# Altium PCB TinyShuffle v.0b.PcbDoc (part 1 of 2)
Units mm, origin at the board's own origin, x right, y up, seen from the top; angles counter-clockwise.
Board outline 65 x 90 mm, 4 copper layers (Top Layer, GND, VCC, Bottom Layer), stack 1.561 mm thick; 111 components, 57 nets, 433 pads, 458 vias.
Unrouted connection lines stored in the file: 21.
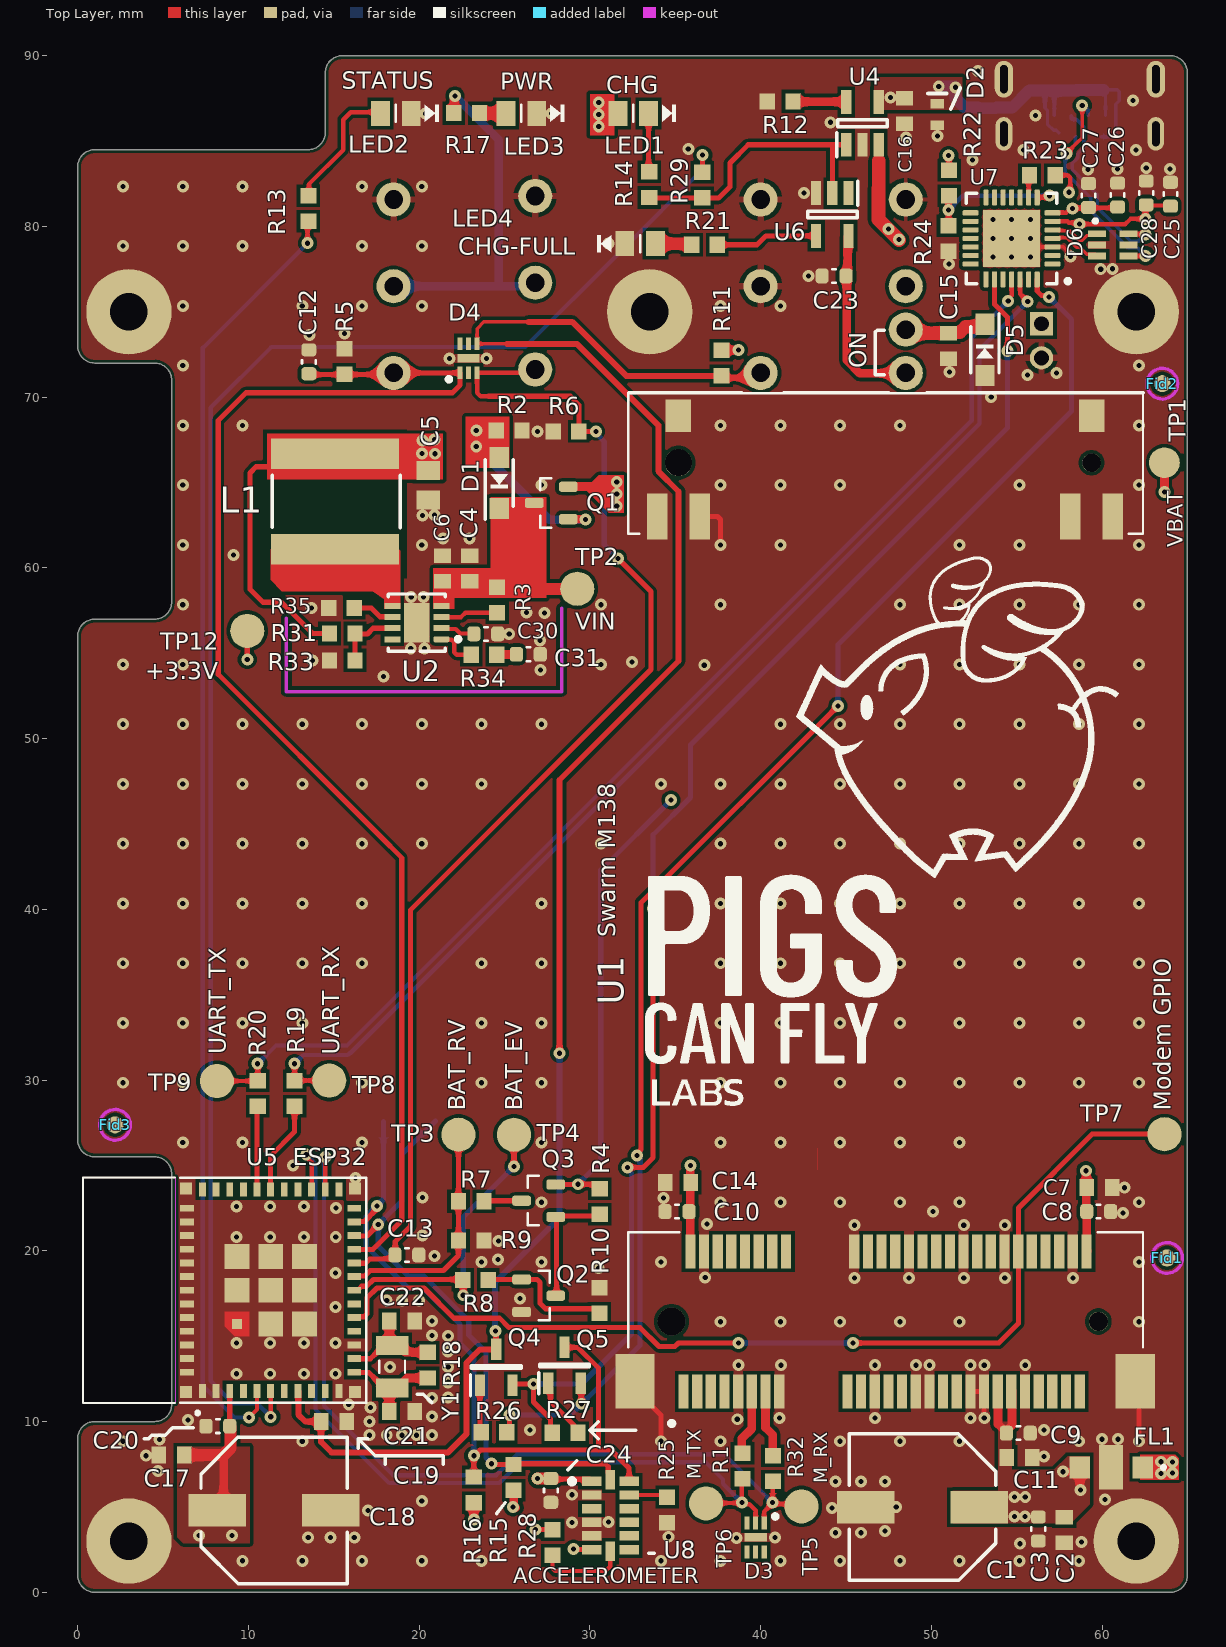
[diagram p0: Top Layer view]
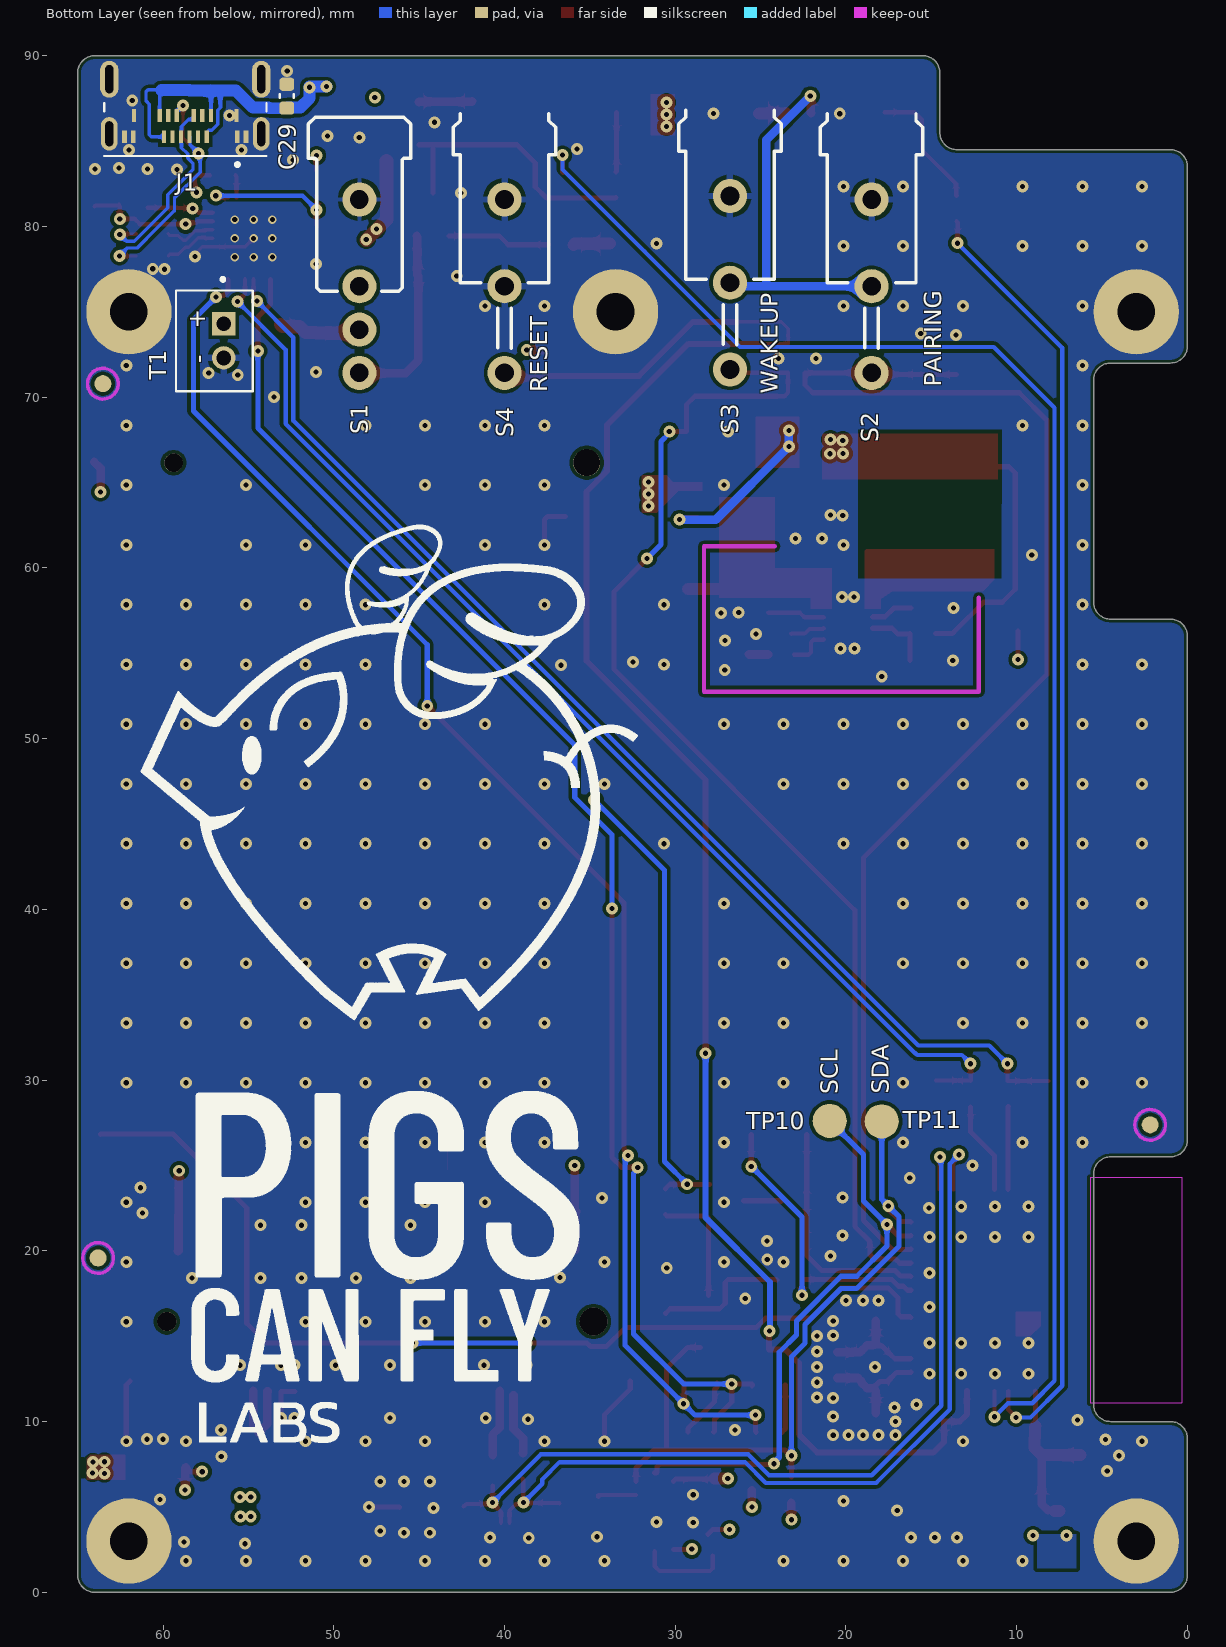
[diagram p1: Bottom Layer view, seen from below]
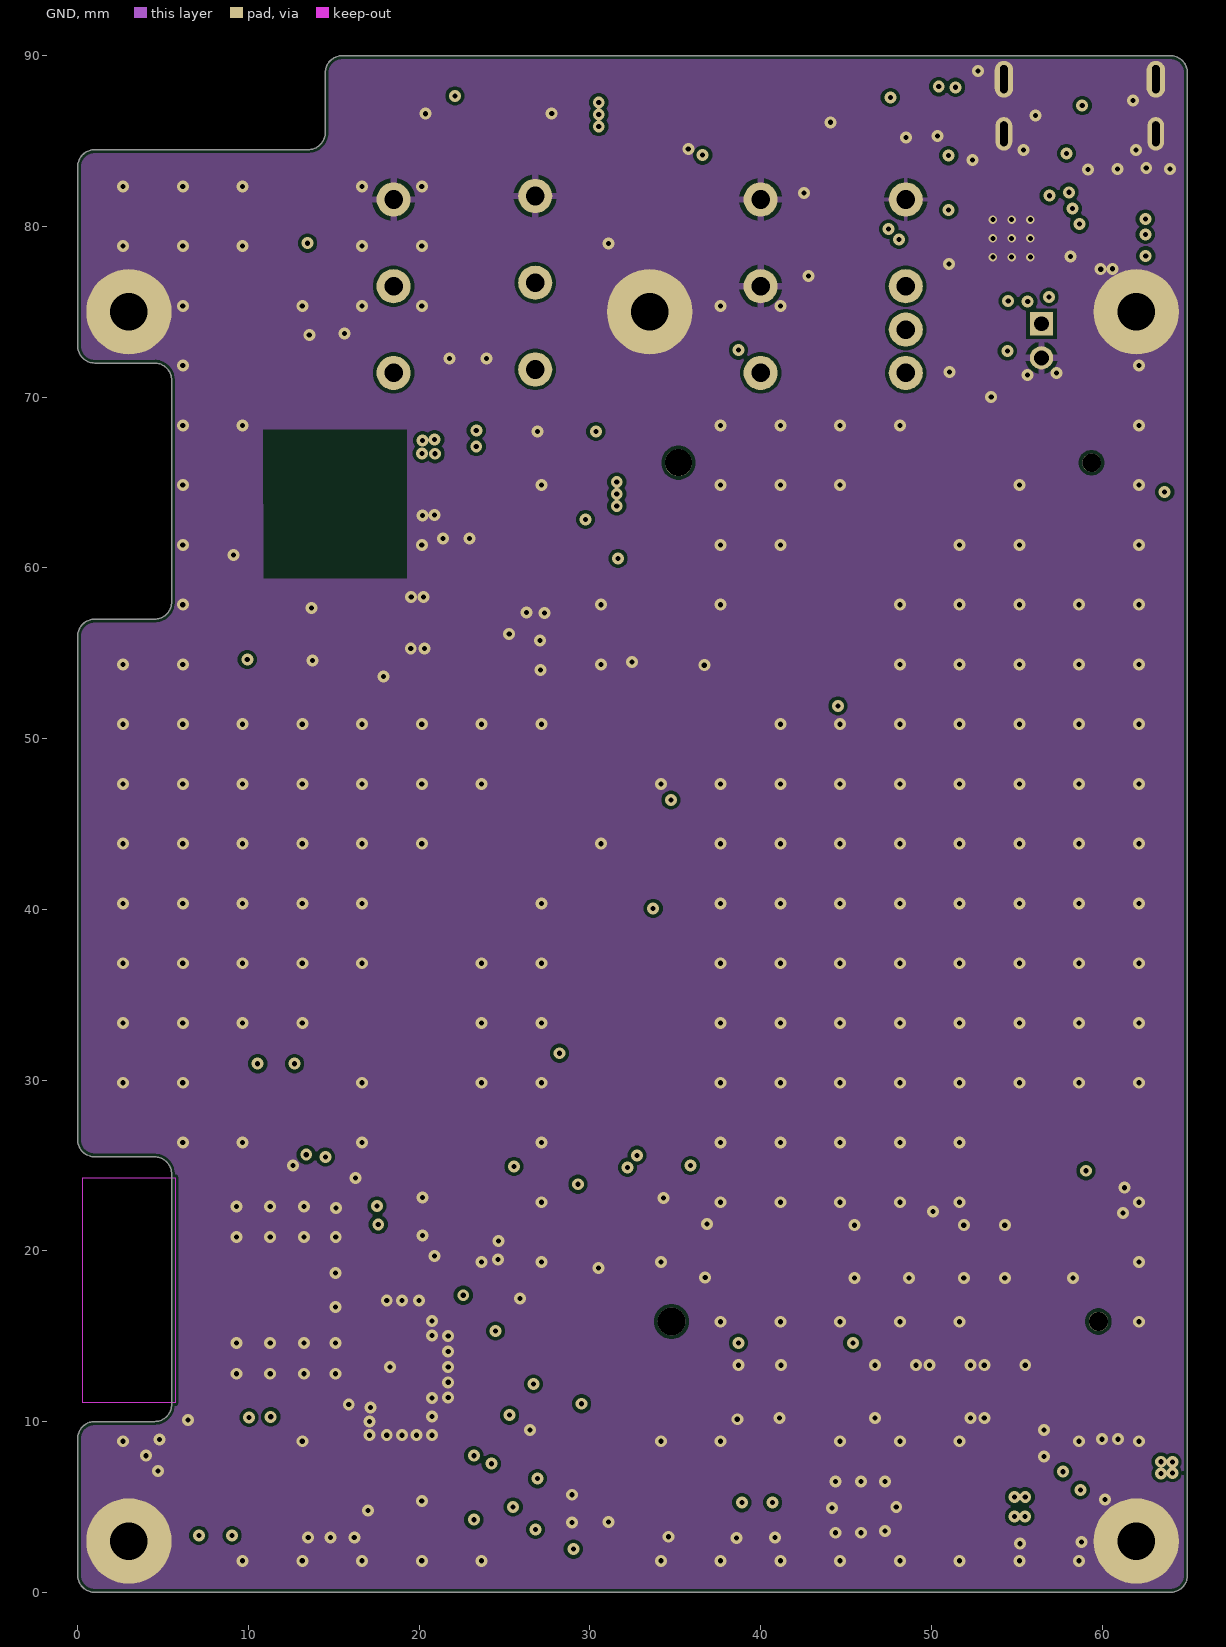
[diagram p2: GND]
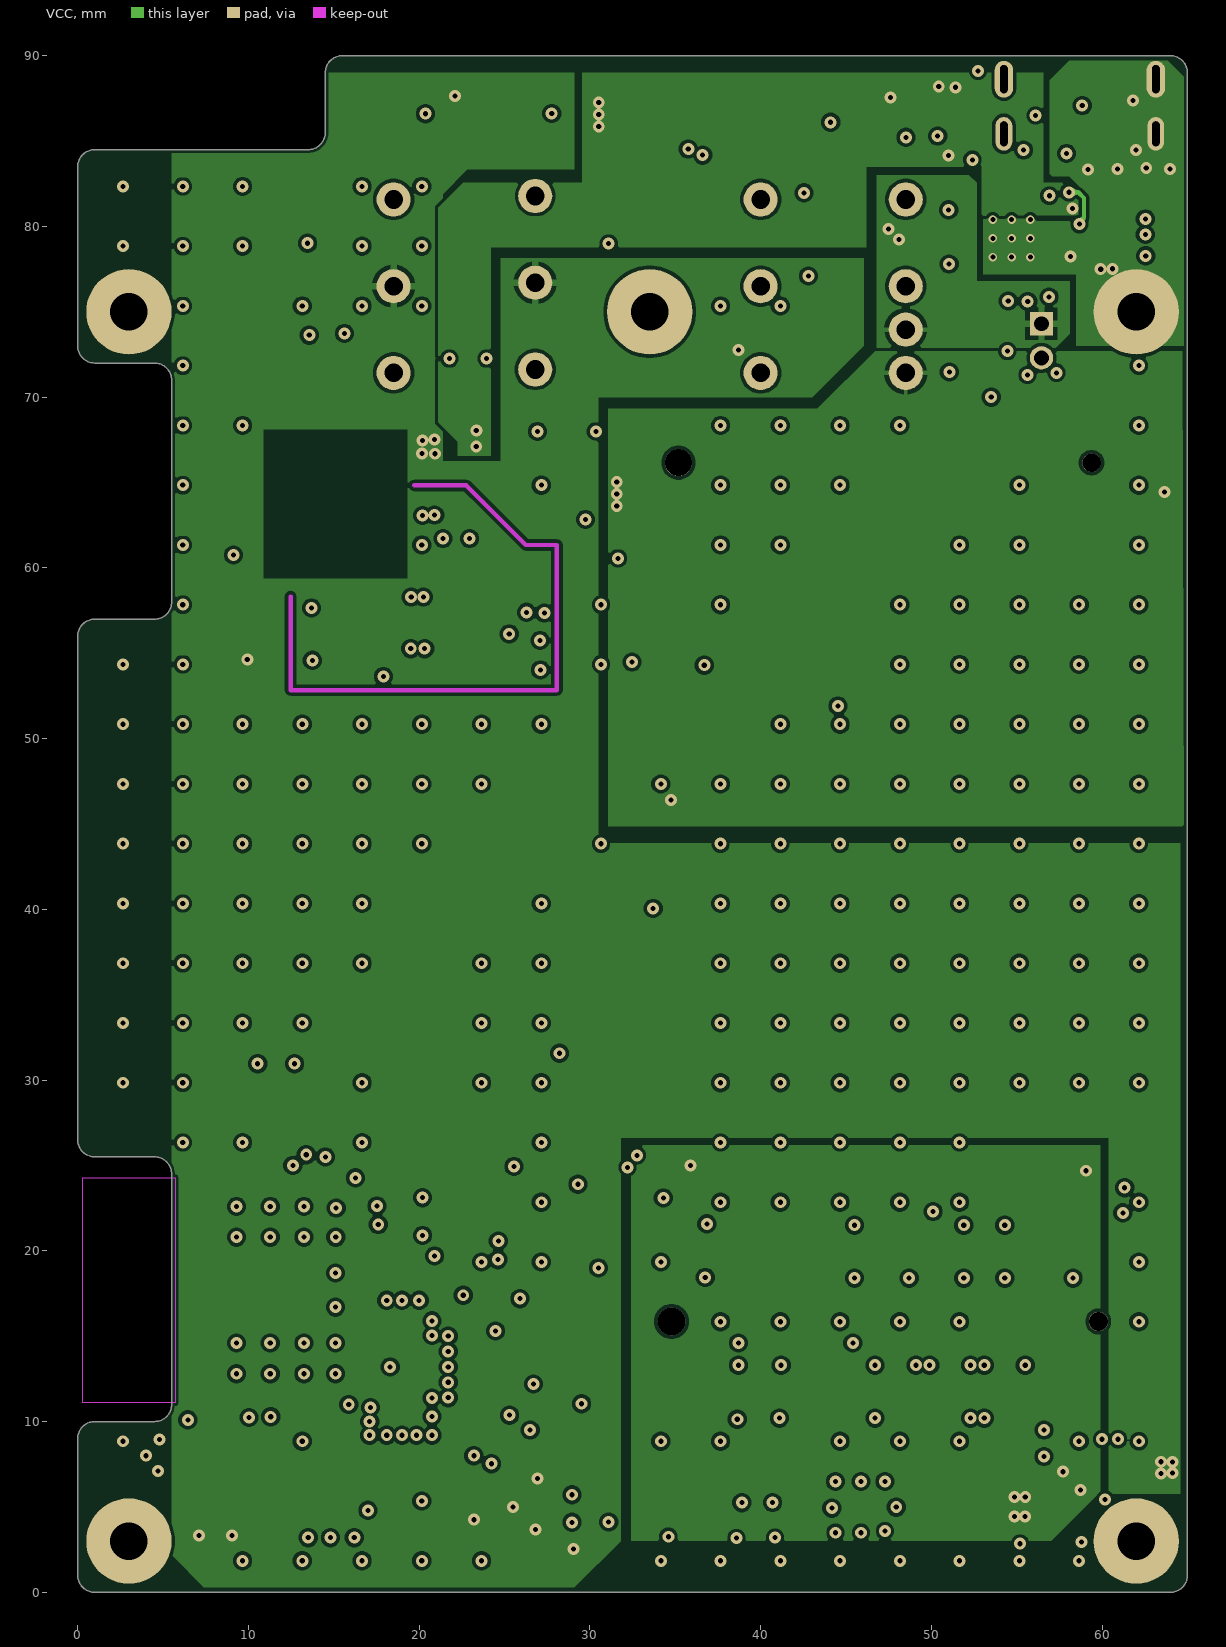
[diagram p3: VCC]
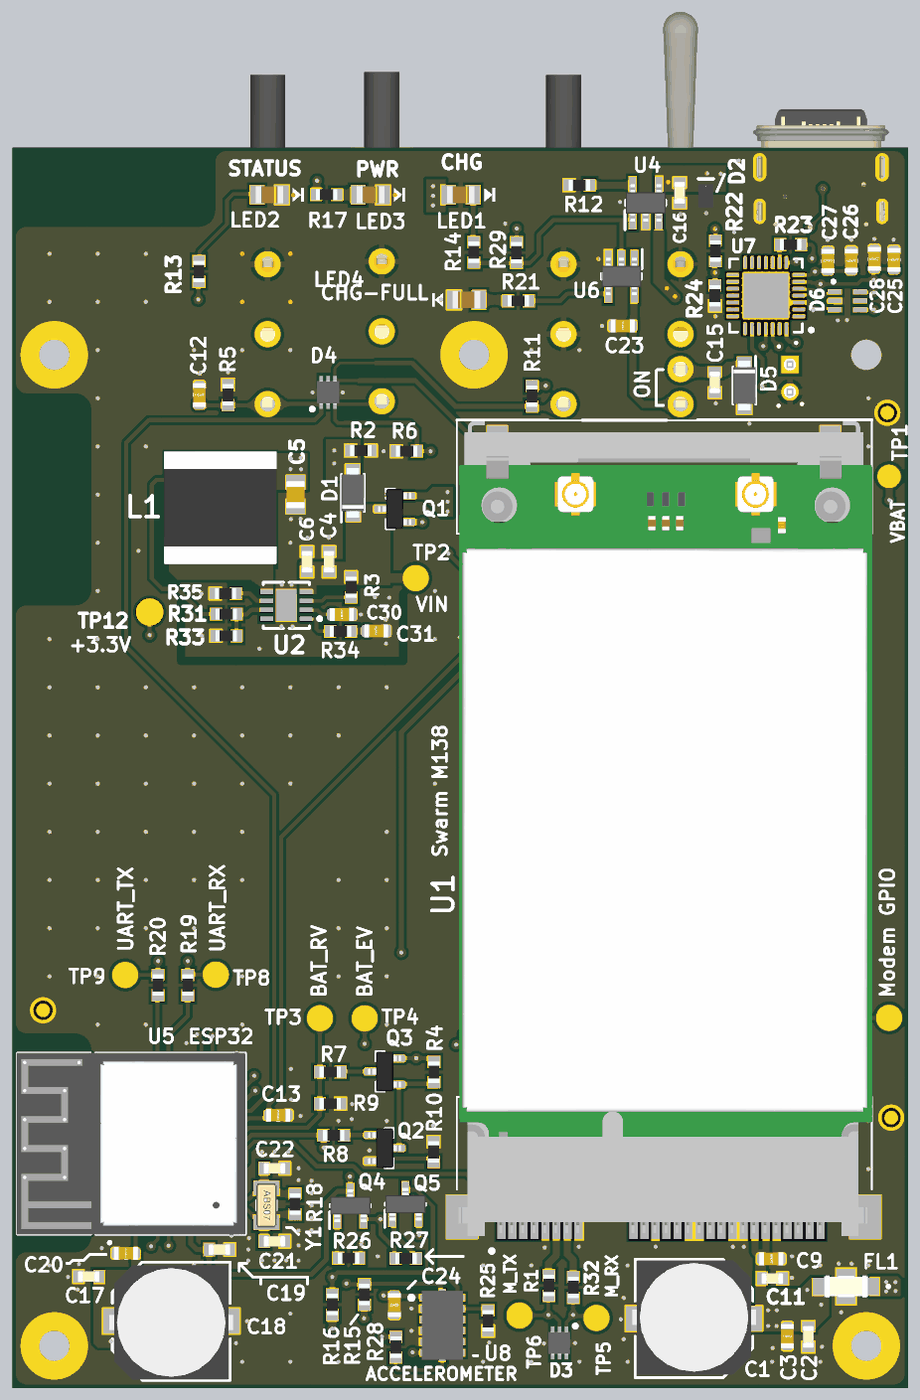
[diagram p5: 3D render of the assembled board from above, using the file's embedded part models]
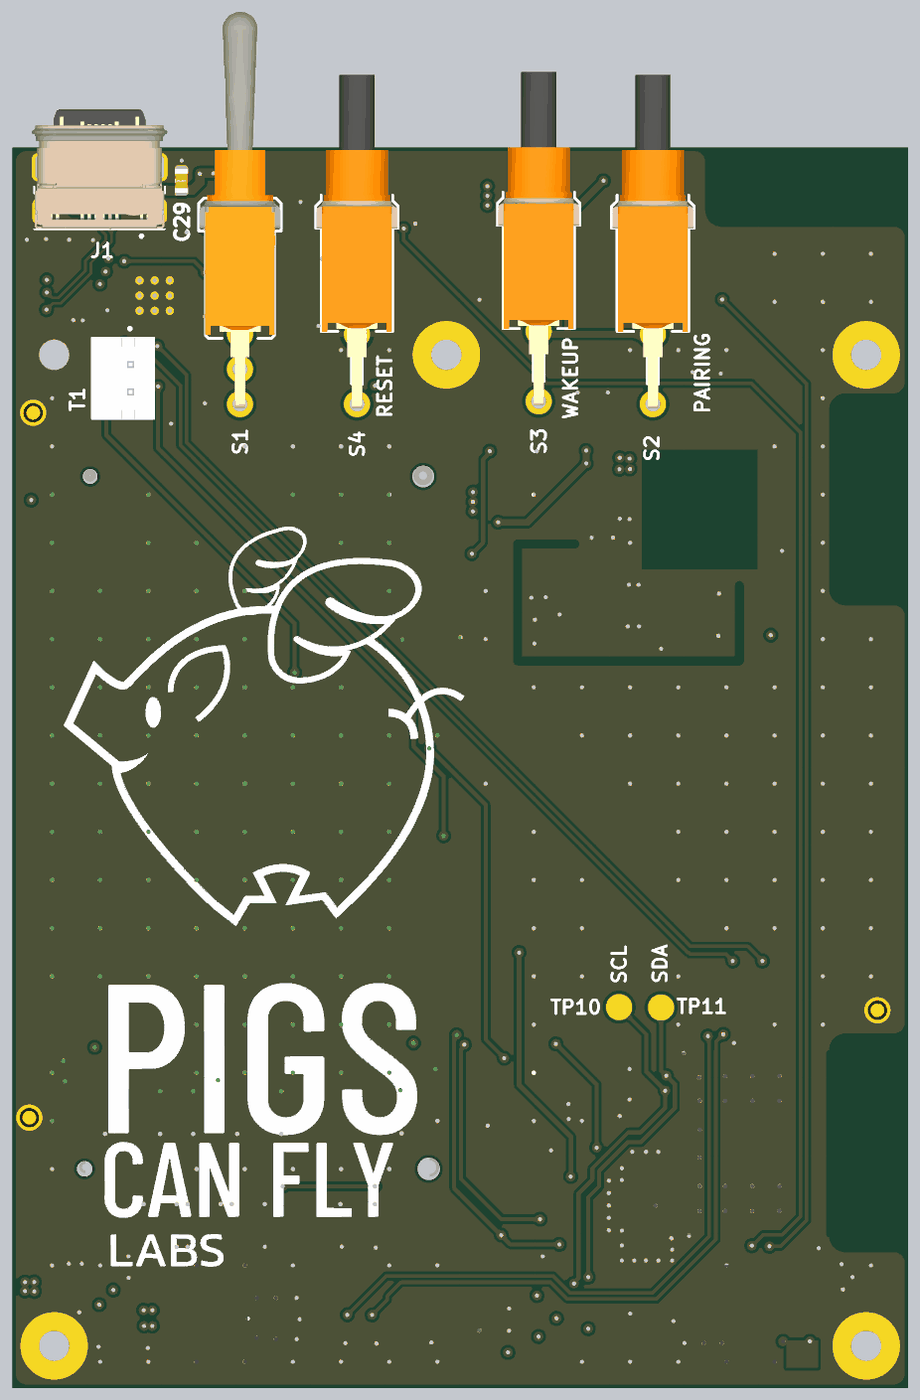
[diagram p6: 3D render of the assembled board from below, using the file's embedded part models]

## Layer stack, top to bottom
Top Solder: solder mask 0.0102, Solder Resist, Dk 3.5
Top Layer: signal copper 0.0356
Dielectric 2: prepreg 0.11, PP-017, Dk 4.3
GND: signal copper 0.035
Dielectric 1: core 1.2, FR-4, Dk 4.2
VCC: signal copper 0.035
Dielectric 3: prepreg 0.11, PP-017, Dk 4.3
Bottom Layer: signal copper 0.0356
Bottom Solder: solder mask 0.0102, Solder Resist, Dk 3.5

## Board outline
0,1 ccw(c1,1) 1,0 64,0 ccw(c64,1) 65,1 65,89 ccw(c64,89) 64,90 15.5,90 ccw(c15.5,89) 14.5,89 14.5,85.5 cw(c13.5,85.5) 13.5,84.5 1,84.5 ccw(c1,83.5) 0,83.5 0,73 ccw(c1,73) 1,72 4.5,72 cw(c4.5,71) 5.5,71 5.5,58 cw(c4.5,58) 4.5,57 1,57 ccw(c1,56) 0,56 0,26.5 ccw(c1,26.5) 1,25.5 4.5,25.5 cw(c4.5,24.5) 5.5,24.5 5.5,24.502 5.5,10.998 5.5,11 cw(c4.5,11) 4.5,10 1,10 ccw(c1,9) 0,9

## Design rules (kind name [scope] priority, off if disabled: settings)
AcuteAngle [not( IsVia )] p1 off: minimum=6.00000000000000E+0001 checktracksonly=FALSE
BoardOutlineClearance [All] p1: gap=0.2 ignorepadtopadclearanceinfootprint=FALSE
Clearance [All] p1: gap=0.2 ignorepadtopadclearanceinfootprint=TRUE
ComponentClearance ComponentClearance_BAT [HasFootprint('353 ADAFRUIT BAT') vs HasFootprint('SMA')] p1: gap=0 collisioncheckmode=3 verticalgap=0 showdistances=FALSE
ComponentClearance ComponentClearance_ButCap [HasFootprint('BUTTON CUP') vs HasFootprint('800AWSP9M7QE')] p2: gap=0 collisioncheckmode=3 verticalgap=0 showdistances=FALSE
ComponentClearance ComponentClearance_Display [HasFootprint('I2C DISPLAY') vs HasFootprint('9774035243R')] p3: gap=0.254 collisioncheckmode=3 verticalgap=0 showdistances=FALSE
ComponentClearance ComponentClearance_Modem [InComponent('U2') vs InComponent('U3')] p4: gap=0 collisioncheckmode=3 verticalgap=0 showdistances=FALSE
ComponentClearance [All] p5: gap=0.256 collisioncheckmode=3 verticalgap=0.256 showdistances=TRUE
DiffPairsRouting [InDifferentialPair('USB')] p1: maxlimit=0.2 minlimit=0.127 mostfreqgap=0.2 toplayer_mingap=0.2 toplayer_minwidth=0.2 toplayer_maxwidth=0.2 toplayer_prefwidth=0.2 midlayer1_maxgap=0.127 midlayer1_prefgap=0.127 midlayer1_minwidth=0.083 midlayer1_maxwidth=0.083 midlayer1_prefwidth=0.083 midlayer2_maxgap=0.127 midlayer2_prefgap=0.127 midlayer2_minwidth=0.083 midlayer2_maxwidth=0.083 midlayer2_prefwidth=0.083 bottomlayer_mingap=0.2 bottomlayer_minwidth=0.2 bottomlayer_maxwidth=0.2 bottomlayer_prefwidth=0.2 impedanceprofiledriven=TRUE impedanceprofileid={432340D7-3107-4733-A8A2-B41FC37192D8} impedanceprofilevalue=90.000000 maxuncoupledlength=12.7
HoleSize [All] p1: absolutevalues=TRUE maxlimit=6.3 minlimit=0.2 maxpercent=80.000 minpercent=20.000
HoleToHoleClearance [All] p1: gap=0 allowstackedmicrovias=TRUE
MinimumSolderMaskSliver MinimumSolderMaskSliver_1 [HasFootprint('ADXL345BCCZRL')  OR HasFootprint ( 'RF_VHF_JAE_MM60-52B1-B1-R850_MM60-EZH039-B5-R850_W_2005_MPCIE_CARD') or HasFootprint ('CP2104') or HasFootprint ('SON65P200X200X80-7N')OR HasFootprint ('AMPHENOL_124019772112A')] p1: minsoldermaskwidth=0.1 // SILVER  0.1MM FOR FP
MinimumSolderMaskSliver [All] p2: minsoldermaskwidth=0.1
PlaneClearance [All] p1: clearance=0.2
PlaneConnect [All] p1: planeconnectstyle=Direct reliefexpansion=0.508 reliefentries=4 reliefconductorwidth=0.254 reliefairgap=0.254
PolygonConnect PolygonConnect_1 [All vs IsNamedPolygon('IN_L01_P001') Or IsNamedPolygon('VBAT_IN_L01_P006') Or IsNamedPolygon('VBAT_L01_P003') Or IsNamedPolygon('VBUS_L01_P002')  Or IsNamedPolygon('VBUS_L01_P010') or IsNamedPolygon('+3V3_L01_P014')] p1: connectstyle=Direct reliefconductorwidth=0.254 reliefentries=4 polygonreliefangle="90 Angle" airgapwidth=0.254
PolygonConnect [All] p2: thpad.connectstyle=Relief thpad.reliefconductorwidth=0.406 thpad.reliefentries=4 thpad.polygonreliefangle="90 Angle" thpad.airgapwidth=0.254 smdpad.connectstyle=Direct smdpad.reliefconductorwidth=0.254 smdpad.reliefentries=4 smdpad.polygonreliefangle="90 Angle" smdpad.airgapwidth=0.254 via.connectstyle=Direct via.reliefconductorwidth=0.254 via.reliefentries=4 via.polygonreliefangle="90 Angle" via.airgapwidth=0.254
RoutingVias [All] p1: holewidth=0.3 width=0.7 viastyle="Through Hole" minholewidth=0.3 minwidth=0.5 maxholewidth=0.3 maxwidth=0.7
SilkToSilkClearance [All] p1: silktosilkclearance=0.15
SilkToSolderMaskClearance [IsPad] p1: minsilkscreentomaskgap=0.15 clearancetoexposedcopper=TRUE
SolderMaskExpansion [All] p1: expansion=0.05 istentingtop=FALSE
Width [All] p1: maxlimit=10 minlimit=0.2 preferedwidth=0.3 midlayer1_minwidth=0.254 midlayer1_maxwidth=0.254 midlayer1_prefwidth=0.254 midlayer2_minwidth=0.254 midlayer2_maxwidth=0.254 midlayer2_prefwidth=0.254 minimp=50.000000 maximp=50.000000 favimp=50.000000